# Altium PCB PCB.PcbDoc
Units mm, origin at the board's own origin, x right, y up, seen from the top; angles counter-clockwise.
Board outline 152.4 x 101.6 mm, 4 copper layers (Top Layer, L2 (GND), L3 (GND), Bottom Layer), stack 1.55 mm thick; 123 components, 28 nets, 378 pads, 0 vias.
Unrouted connection lines stored in the file: 255.
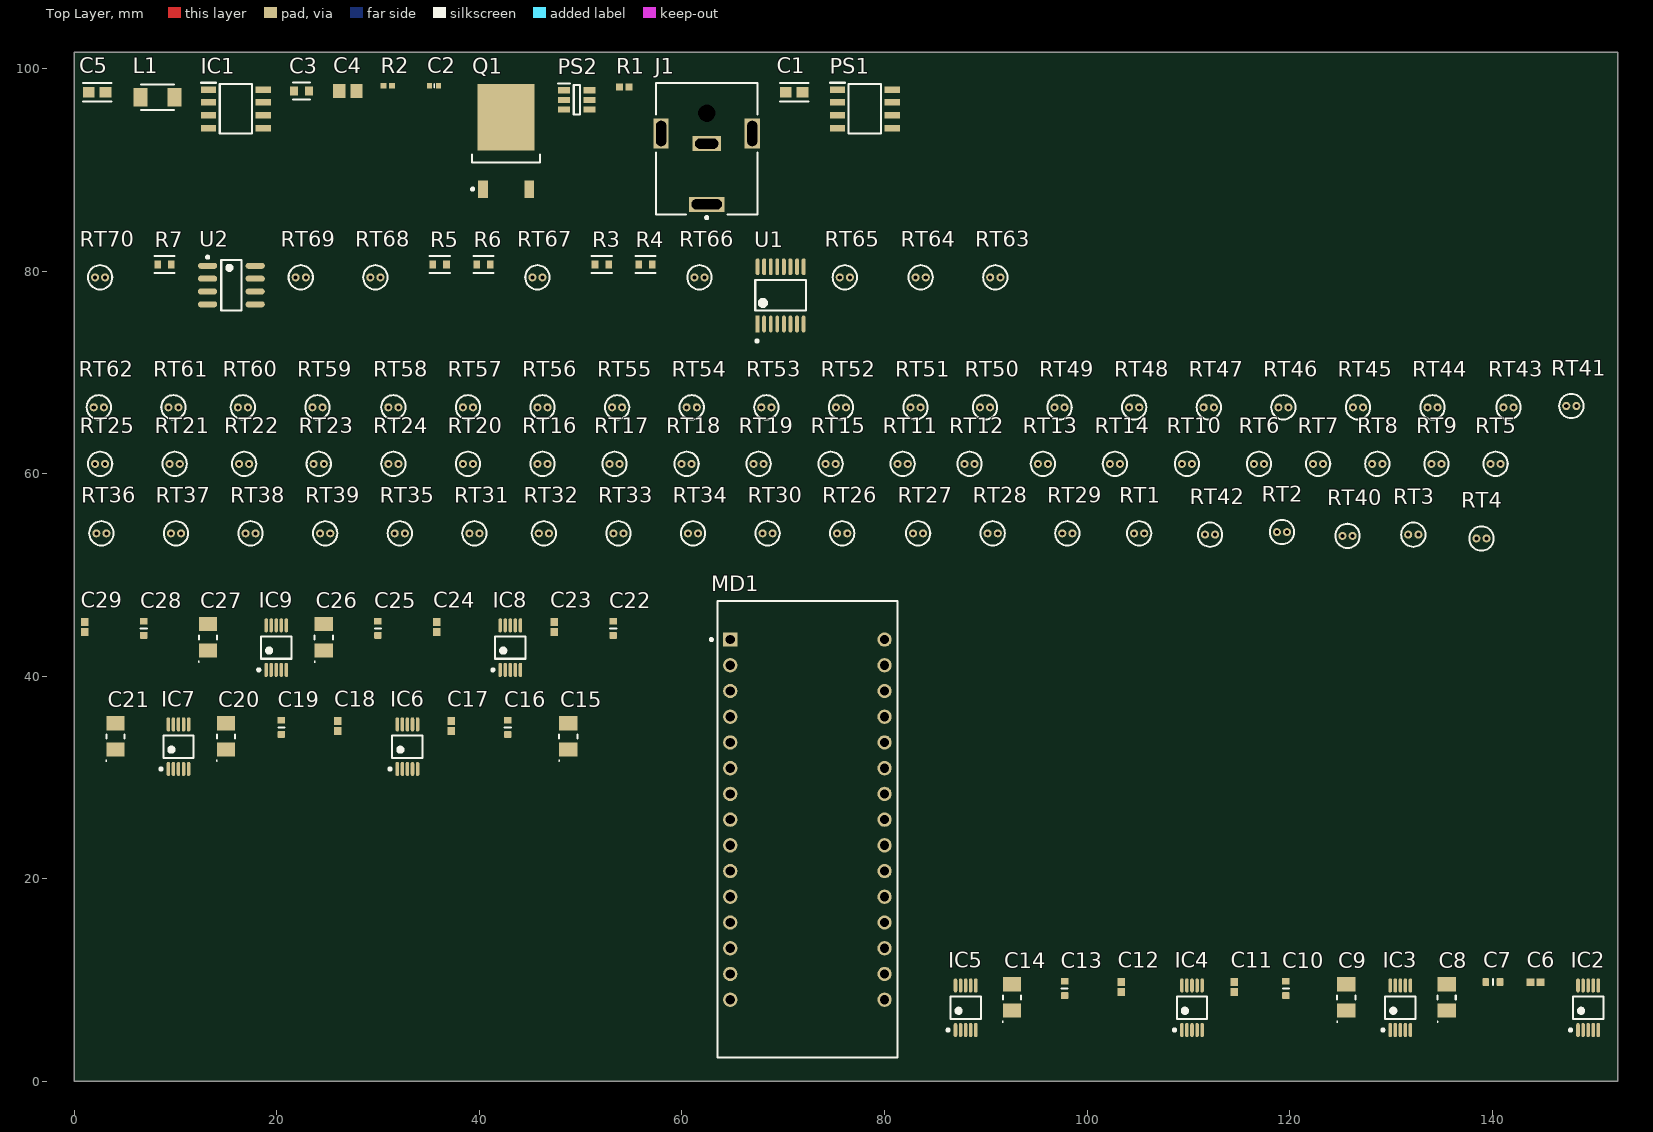
[diagram p0: Top Layer view]
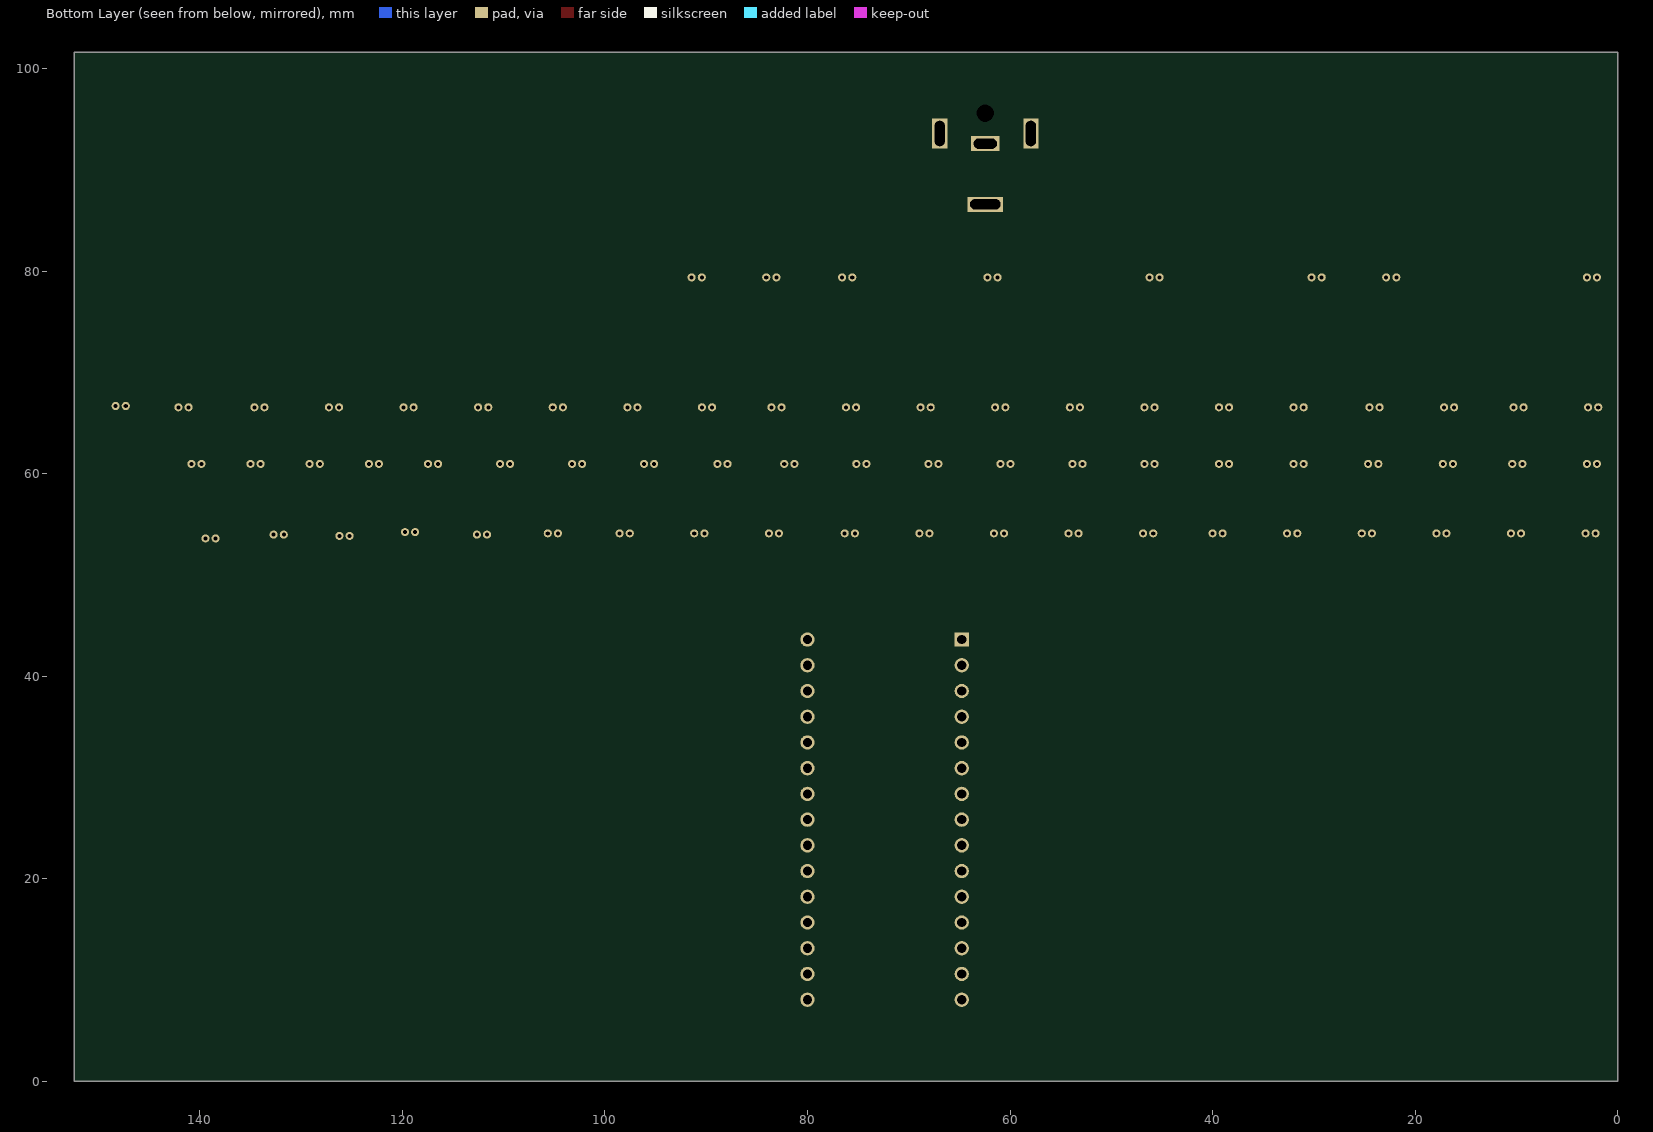
[diagram p1: Bottom Layer view, seen from below]

## Layer stack, top to bottom
Top Solder: solder mask 0.0254, Solder Resist, Dk 3.5
Top Layer: signal copper 0.035
Dielectric 1: prepreg 0.09, PP-017, Dk 4.3
L2 (GND): signal copper 0.0175
Dielectric 2: core 1.265, Core-039, Dk 4.8
L3 (GND): signal copper 0.0175
Dielectric 3: prepreg 0.09, PP-017, Dk 4.3
Bottom Layer: signal copper 0.035
Bottom Solder: solder mask 0.0254, Solder Resist, Dk 3.5

## Board outline
0,0 152.4,0 152.4,101.6 0,101.6

## Design rules (kind name [scope] priority, off if disabled: settings)
Clearance [All] p1: gap=0.25 ignorepadtopadclearanceinfootprint=FALSE
ComponentClearance [All] p1: gap=0.254 collisioncheckmode=3 verticalgap=0.254 showdistances=TRUE
PolygonConnect [All] p1: connectstyle=Relief reliefconductorwidth=0.254 reliefentries=4 polygonreliefangle="90 Angle" airgapwidth=0.254
RoomDefinition "Weatstone bridge" [InComponentClass('Weatstone bridge')] p1: confinementstyle=ConfineIn formatcopy=TRUE lockcomponents=FALSE outline 0.143,72.644 95.012,72.644 95.012,84.328 0.143,84.328
RoomDefinition Thermistors [InComponentClass('Thermistors')] p2: confinementstyle=ConfineIn formatcopy=TRUE lockcomponents=FALSE outline 0.016,49.276 151.892,49.276 151.892,71.501 0.016,71.501
RoomDefinition "Processing interface" [InComponentClass('Processing interface')] p3: confinementstyle=ConfineIn formatcopy=TRUE lockcomponents=FALSE outline 0.254,0.814 152.654,0.814 152.654,48.659 0.254,48.659
RoomDefinition "Power Supply Unit" [InComponentClass('Power Supply Unit')] p4: confinementstyle=ConfineIn formatcopy=TRUE lockcomponents=FALSE outline 0.088,84.836 82.003,84.836 82.003,101.473 0.088,101.473
RoutingVias [All] p1: holewidth=0.899 width=1.905 viastyle="Through Hole" minholewidth=0.701 minwidth=1.27 maxholewidth=1.501 maxwidth=2.54
SolderMaskExpansion [All] p1: expansion=0.102 istentingtop=FALSE
UnRoutedNet [All] p1: checkbadconnections=TRUE
Width [All] p1: maxlimit=0.535 minlimit=0.136 preferedwidth=0.136 toplayer_maxwidth=0.136 bottomlayer_maxwidth=0.136 impedanceprofiledriven=TRUE impedanceprofileid={A71F478D-9E5E-49C9-A4F1-DDFD40A67127} impedanceprofilevalue=50.000000 minimp=50.000000 maximp=50.000000 favimp=50.000000
28 further rules are at their usual default settings.

## Classes and differential pairs
component class "Weatstone bridge": *3 R3 R4 R5 R6 R7 RT63 RT64 RT65 RT66 RT67 RT68 RT69 RT70 U1 U2
component class "Processing interface": *5 C6 C7 C8 C9 C10 C11 C12 C13 C14 C15 C16 C17 C18 C19 C20 C21 C22 C23 C24 C25 C26 C27 C28 C29 IC2 IC3 IC4 IC5 IC6 IC7 IC8 IC9 MD1
component class Thermistors: *3 RT1 RT2 RT3 RT4 RT5 RT6 RT7 RT8 RT9 RT10 RT11 RT12 RT13 RT14 RT15 RT16 RT17 RT18 RT19 RT20 RT21 RT22 RT23 RT24 RT25 RT26 RT27 RT28 RT29 RT30 RT31 RT32 RT33 RT34 RT35 RT36 RT37 RT38 RT39 RT40 RT41 RT42 RT43 RT44 RT45 RT46 RT47 RT48 RT49 RT50 RT51 RT52 RT53 RT54 RT55 RT56 RT57 RT58 RT59 RT60 RT61 RT62
component class "Power Supply Unit": *2 C1 C2 C3 C4 C5 D2 IC1 J1 L1 PS1 PS2 Q1 R1 R2 S2

## Components (designator, comment, footprint, x,y, rotation, side; value= is the part's Value field where it differs from the comment)
C1 "CL10A225KO8NNNC" FP-CL10-IPC_A 71.081,97.663 r0 top
C2 "Capacitor 220nF +/-20% 10V 0402" CAPC0402(1005)60_L 35.521,98.298 r0 top value=220nF
C3 "CC0603KRX7R9BB104" FP-CC0603-DA-MFG 22.44,97.79 r0 top value="100 nF"
C4 "Capacitor 10 uF +/- 10% 16 V 0805" CAPC2013X135X45NL10T25 27.012,97.79 r0 top value=10µF
C5 "CL10A225KO8NNNC" FP-CL10-IPC_A 2.247,97.663 r0 top
C6 "0402YC104KAT2A" CAPC1005X56X25ML10T15 144.272,9.797 r0 top
C7 "Capacitor 1µF +/-0.1% 25V 0603" CAPC0603(1608)100_L 140.081,9.797 r0 top value=1µF
C8 "TAJA106K016RNJ" CAPMP3217X18-T_V 135.509,8.273 r90 top value=10µF
C9 "TAJA106K016RNJ" CAPMP3217X18-T_V 125.603,8.273 r90 top value=10µF
C10 "Capacitor 1µF +/-0.1% 25V 0603" CAPC0603(1608)100_L 119.634,9.162 r90 top value=1µF
C11 "0402YC104KAT2A" CAPC1005X56X25ML10T15 114.554,9.289 r90 top
C12 "0402YC104KAT2A" CAPC1005X56X25ML10T15 103.378,9.289 r90 top
C13 "Capacitor 1µF +/-0.1% 25V 0603" CAPC0603(1608)100_L 97.79,9.162 r90 top value=1µF
C14 "TAJA106K016RNJ" CAPMP3217X18-T_V 92.583,8.273 r90 top value=10µF
C15 "TAJA106K016RNJ" CAPMP3217X18-T_V 48.768,34.054 r90 top value=10µF
C16 "Capacitor 1µF +/-0.1% 25V 0603" CAPC0603(1608)100_L 42.799,34.943 r90 top value=1µF
C17 "0402YC104KAT2A" CAPC1005X56X25ML10T15 37.211,35.07 r90 top
C18 "0402YC104KAT2A" CAPC1005X56X25ML10T15 26.035,35.07 r90 top
C19 "Capacitor 1µF +/-0.1% 25V 0603" CAPC0603(1608)100_L 20.447,34.943 r90 top value=1µF
C20 "TAJA106K016RNJ" CAPMP3217X18-T_V 14.986,34.054 r90 top value=10µF
C21 "TAJA106K016RNJ" CAPMP3217X18-T_V 4.064,34.054 r90 top value=10µF
C22 "Capacitor 1µF +/-0.1% 25V 0603" CAPC0603(1608)100_L 53.213,44.722 r90 top value=1µF
C23 "0402YC104KAT2A" CAPC1005X56X25ML10T15 47.371,44.849 r90 top
C24 "0402YC104KAT2A" CAPC1005X56X25ML10T15 35.814,44.849 r90 top
C25 "Capacitor 1µF +/-0.1% 25V 0603" CAPC0603(1608)100_L 29.972,44.722 r90 top value=1µF
C26 "TAJA106K016RNJ" CAPMP3217X18-T_V 24.638,43.833 r90 top value=10µF
C27 "TAJA106K016RNJ" CAPMP3217X18-T_V 13.208,43.833 r90 top value=10µF
C28 "Capacitor 1µF +/-0.1% 25V 0603" CAPC0603(1608)100_L 6.858,44.722 r90 top value=1µF
C29 "0402YC104KAT2A" CAPC1005X56X25ML10T15 1.016,44.849 r90 top
IC1 "MCP1501-18E_SN" SOIC127P600X175-8N 15.963,96.012 r0 top
IC2 "MCP33141-10-E/MS" "New footprint 1" 149.352,7.257 r90 top
IC3 "MCP33141-10-E/MS" "New footprint 1" 130.81,7.257 r90 top
IC4 "MCP33141-10-E/MS" "New footprint 1" 110.236,7.257 r90 top
IC5 "MCP33141-10-E/MS" "New footprint 1" 87.884,7.257 r90 top
IC6 "MCP33141-10-E/MS" "New footprint 1" 32.766,33.038 r90 top
IC7 "MCP33141-10-E/MS" "New footprint 1" 10.16,33.038 r90 top
IC8 "MCP33141-10-E/MS" "New footprint 1" 42.926,42.817 r90 top
IC9 "MCP33141-10-E/MS" "New footprint 1" 19.812,42.817 r90 top
J1 "PJ-063AH" CUI-PJ-063AH_V 62.445,92.583 r90 top
L1 "7447916" SMD-1210 8.216,97.155 r0 top
MD1 "Arduino Nano Every" FP-A000005-MFG 72.39,24.88 r0 top
PS1 "MCP1501-33E_SN" SOIC127P600X175-8N 78.066,96.012 r0 top
PS2 "LMR50410YFQDBVRQ1" SOT95P280X145-6N 49.618,96.901 r0 top
Q1 "IPD90P03P4-04" INF-PG-TO252-3-11_N 42.633,92.837 r90 top
R1 "RC0402FR-1322K1L" RESC1005X40X25ML05T10 54.317,98.171 r0 top
R2 "RC0402FR-0788K7L" RESC1005X40X25NL05T10 30.949,98.298 r0 top
R3 "RT0603BRD0710KL" FP-RT0603-IPC_C 52.086,80.645 r0 top value=10kR
R4 "RT0603BRD0710KL" FP-RT0603-IPC_C 56.404,80.645 r0 top value=10kR
R5 "RT0603BRD0710KL" FP-RT0603-IPC_C 36.084,80.645 r0 top value=10kR
R6 "RT0603BRD0710KL" FP-RT0603-IPC_C 40.402,80.645 r0 top value=10kR
R7 "RT0603BRD0710KL" FP-RT0603-IPC_C 8.906,80.645 r0 top value=10kR
RT1 "NTCLE350E4103FHB0" NTCLE350E4103FHB0 104.648,54.102 r0 top
RT2 "NTCLE350E4103FHB0" NTCLE350E4103FHB0 118.745,54.229 r0 top
RT3 "NTCLE350E4103FHB0" NTCLE350E4103FHB0 131.715,53.975 r0 top
RT4 "NTCLE350E4103FHB0" NTCLE350E4103FHB0 138.446,53.594 r0 top
RT5 "NTCLE350E4103FHB0" NTCLE350E4103FHB0 139.843,60.96 r0 top
RT6 "NTCLE350E4103FHB0" NTCLE350E4103FHB0 116.475,60.96 r0 top
RT7 "NTCLE350E4103FHB0" NTCLE350E4103FHB0 122.317,60.96 r0 top
RT8 "NTCLE350E4103FHB0" NTCLE350E4103FHB0 128.159,60.96 r0 top
RT9 "NTCLE350E4103FHB0" NTCLE350E4103FHB0 134.001,60.96 r0 top
RT10 "NTCLE350E4103FHB0" NTCLE350E4103FHB0 109.363,60.96 r0 top
RT11 "NTCLE350E4103FHB0" NTCLE350E4103FHB0 81.296,60.96 r0 top
RT12 "NTCLE350E4103FHB0" NTCLE350E4103FHB0 87.9,60.96 r0 top
RT13 "NTCLE350E4103FHB0" NTCLE350E4103FHB0 95.139,60.96 r0 top
RT14 "NTCLE350E4103FHB0" NTCLE350E4103FHB0 102.251,60.96 r0 top
RT15 "NTCLE350E4103FHB0" NTCLE350E4103FHB0 74.184,60.96 r0 top
RT16 "NTCLE350E4103FHB0" NTCLE350E4103FHB0 45.736,60.96 r0 top
RT17 "NTCLE350E4103FHB0" NTCLE350E4103FHB0 52.848,60.96 r0 top
RT18 "NTCLE350E4103FHB0" NTCLE350E4103FHB0 59.96,60.96 r0 top
RT19 "NTCLE350E4103FHB0" NTCLE350E4103FHB0 67.072,60.96 r0 top
RT20 "NTCLE350E4103FHB0" NTCLE350E4103FHB0 38.37,60.96 r0 top
RT21 "NTCLE350E4103FHB0" NTCLE350E4103FHB0 9.414,60.96 r0 top
RT22 "NTCLE350E4103FHB0" NTCLE350E4103FHB0 16.272,60.96 r0 top
RT23 "NTCLE350E4103FHB0" NTCLE350E4103FHB0 23.638,60.96 r0 top
RT24 "NTCLE350E4103FHB0" NTCLE350E4103FHB0 31.004,60.96 r0 top
RT25 "NTCLE350E4103FHB0" NTCLE350E4103FHB0 2.048,60.96 r0 top
RT26 "NTCLE350E4103FHB0" NTCLE350E4103FHB0 75.327,54.102 r0 top
RT27 "NTCLE350E4103FHB0" NTCLE350E4103FHB0 82.82,54.102 r0 top
RT28 "NTCLE350E4103FHB0" NTCLE350E4103FHB0 90.186,54.102 r0 top
RT29 "NTCLE350E4103FHB0" NTCLE350E4103FHB0 97.552,54.102 r0 top
RT30 "NTCLE350E4103FHB0" NTCLE350E4103FHB0 67.961,54.102 r0 top
RT31 "NTCLE350E4103FHB0" NTCLE350E4103FHB0 39.005,54.102 r0 top
RT32 "NTCLE350E4103FHB0" NTCLE350E4103FHB0 45.863,54.102 r0 top
RT33 "NTCLE350E4103FHB0" NTCLE350E4103FHB0 53.229,54.102 r0 top
RT34 "NTCLE350E4103FHB0" NTCLE350E4103FHB0 60.595,54.102 r0 top
RT35 "NTCLE350E4103FHB0" NTCLE350E4103FHB0 31.639,54.102 r0 top
RT36 "NTCLE350E4103FHB0" NTCLE350E4103FHB0 2.175,54.102 r0 top
RT37 "NTCLE350E4103FHB0" NTCLE350E4103FHB0 9.541,54.102 r0 top
RT38 "NTCLE350E4103FHB0" NTCLE350E4103FHB0 16.907,54.102 r0 top
RT39 "NTCLE350E4103FHB0" NTCLE350E4103FHB0 24.273,54.102 r0 top
RT40 "NTCLE350E4103FHB0" NTCLE350E4103FHB0 125.222,53.848 r0 top
RT41 "NTCLE350E4103FHB0" NTCLE350E4103FHB0 147.32,66.675 r0 top
RT42 "NTCLE350E4103FHB0" NTCLE350E4103FHB0 111.649,53.975 r0 top
RT43 "NTCLE350E4103FHB0" NTCLE350E4103FHB0 141.113,66.548 r0 top
RT44 "NTCLE350E4103FHB0" NTCLE350E4103FHB0 133.62,66.548 r0 top
RT45 "NTCLE350E4103FHB0" NTCLE350E4103FHB0 126.254,66.548 r0 top
RT46 "NTCLE350E4103FHB0" NTCLE350E4103FHB0 118.888,66.548 r0 top
RT47 "NTCLE350E4103FHB0" NTCLE350E4103FHB0 111.522,66.548 r0 top
RT48 "NTCLE350E4103FHB0" NTCLE350E4103FHB0 104.156,66.548 r0 top
RT49 "NTCLE350E4103FHB0" NTCLE350E4103FHB0 96.79,66.548 r0 top
RT50 "NTCLE350E4103FHB0" NTCLE350E4103FHB0 89.424,66.548 r0 top
RT51 "NTCLE350E4103FHB0" NTCLE350E4103FHB0 82.566,66.548 r0 top
RT52 "NTCLE350E4103FHB0" NTCLE350E4103FHB0 75.2,66.548 r0 top
RT53 "NTCLE350E4103FHB0" NTCLE350E4103FHB0 67.834,66.548 r0 top
RT54 "NTCLE350E4103FHB0" NTCLE350E4103FHB0 60.468,66.548 r0 top
RT55 "NTCLE350E4103FHB0" NTCLE350E4103FHB0 53.102,66.548 r0 top
RT56 "NTCLE350E4103FHB0" NTCLE350E4103FHB0 45.736,66.548 r0 top
RT57 "NTCLE350E4103FHB0" NTCLE350E4103FHB0 38.37,66.548 r0 top
RT58 "NTCLE350E4103FHB0" NTCLE350E4103FHB0 31.004,66.548 r0 top
RT59 "NTCLE350E4103FHB0" NTCLE350E4103FHB0 23.511,66.548 r0 top
RT60 "NTCLE350E4103FHB0" NTCLE350E4103FHB0 16.145,66.548 r0 top
RT61 "NTCLE350E4103FHB0" NTCLE350E4103FHB0 9.287,66.548 r0 top
RT62 "NTCLE350E4103FHB0" NTCLE350E4103FHB0 1.921,66.548 r0 top
RT63 "NTCLE350E4103FHB0" NTCLE350E4103FHB0 90.44,79.375 r0 top
RT64 "NTCLE350E4103FHB0" NTCLE350E4103FHB0 83.074,79.375 r0 top
RT65 "NTCLE350E4103FHB0" NTCLE350E4103FHB0 75.581,79.375 r0 top
RT66 "NTCLE350E4103FHB0" NTCLE350E4103FHB0 61.23,79.375 r0 top
RT67 "NTCLE350E4103FHB0" NTCLE350E4103FHB0 45.228,79.375 r0 top
RT68 "NTCLE350E4103FHB0" NTCLE350E4103FHB0 29.226,79.375 r0 top
RT69 "NTCLE350E4103FHB0" NTCLE350E4103FHB0 21.86,79.375 r0 top
RT70 "NTCLE350E4103FHB0" NTCLE350E4103FHB0 2.048,79.375 r0 top
U1 "TMUX1208PWR" FP-PW0016A-IPC_B 69.739,77.597 r90 top
U2 "MCP6N11-100E/SN" SOIC-SN8_L 15.51,78.613 r0 top

## Footprints (in the part's own frame and the unit in brackets; to place one, negate y for a bottom-side part, rotate by r counter-clockwise, add the part's x,y. Pads: shape width x height; smd on the part's side, far side on the other; paste and mask are expansions set on the pad)
CAPC0402(1005)60_L [mm] "Chip Capacitor, Body 1.0x0.5mm, Height 0.6mm, IPC High Density"
  rrect25% 0.5x0.55 smd: 1(-0.45,0) 2(0.45,0)
  silkscreen extent 0,-0.2 0,0.2, body extent -0.5,-0.25 0.5,0.25, height 0.6
CAPC0603(1608)100_L [mm] "Chip Capacitor, Body 1.6x0.8mm, Height 1.0mm, IPC High Density"
  rrect25% 0.66x0.76 smd: 1(-0.7,0) 2(0.7,0)
  silkscreen extent 0,-0.3 0,0.3, body extent -0.8,-0.4 0.8,0.4, height 0.95
CAPC1005X56X25ML10T15 [mm] "Chip Capacitor, 2-Leads, Body 1.00x0.50mm, IPC Low Density"
  rect 0.78x0.74 smd: 1(-0.49,0) 2(0.49,0)
  body extent -0.55,-0.3 0.55,0.3, height 0.56
CAPC2013X135X45NL10T25 [mm] "Chip Capacitor, 2-Leads, Body 2.10x1.35mm, IPC Medium Density"
  rect 1.2x1.4 smd: 1(-0.85,0) 2(0.85,0)
  body extent -1.05,-0.67 1.05,0.67, height 1.35
CAPMP3217X18-T_V [mm] "Molded Capacitor, 2-Leads, Body 3.40x1.8mm"
  rect 1.4x1.8 smd: 1(-1.3,0) 2(1.3,0)
  silkscreen extent -2.45,-0.9 0.2,0.95, body extent -1.92,-0.9 1.92,0.9, height 1.8
CUI-PJ-063AH_V [mm] "THD, 2-Leads, Body 13x10mm, Height 9mm"
  rect 1.5x3.5 hole 1 slot 3 at 90 deg: 1(-6,0)
  rect 1.5x2.8 hole 1 slot 2.3 at 90 deg: 2(0,0)
  rect 3x1.5 hole 1 slot 2.5 at 0 deg: 3(1,4.5) 4(1,-4.5)
  round 1.4 hole 1.7 unplated: 5(3,0)
  silkscreen extent -7.42,-5 6,5, body extent -7,-5.15 6,5.15, height 9
FP-A000005-MFG [mil]
  rect 55.67x55.67 hole 35.98 paste-39370.1 mask+0: 1(-300,737.5)
  round 55.67 hole 35.98 paste-39370.1 mask+0: 2(-300,637.5) 3(-300,537.5) 4(-300,437.5) 5(-300,337.5) 6(-300,237.5) 7(-300,137.5) 8(-300,37.5) 9(-300,-62.5) 10(-300,-162.5) 11(-300,-262.5) 12(-300,-362.5) 13(-300,-462.5) 14(-300,-562.5) 15(-300,-662.5) 16(300,-662.5) 17(300,-562.5) 18(300,-462.5) 19(300,-362.5) 20(300,-262.5) 21(300,-162.5) 22(300,-62.5) 23(300,37.5) 24(300,137.5) 25(300,237.5) 26(300,337.5) 27(300,437.5) 28(300,537.5) 29(300,637.5) 30(300,737.5)
  silkscreen extent -379,-888 350,888, body extent -354,-891 354,891, height 10
FP-CC0603-DA-MFG [mm]
  rect 0.8x0.9 smd paste+0 mask+0: 1(-0.75,0) 2(0.75,0)
  silkscreen extent -0.85,-0.85 0.85,0.85, body extent -1.35,-0.75 1.35,0.75, height 0.25
FP-CL10-IPC_A [mm]
  rect 1.158x1.012 smd paste+0 mask+0: 1(-0.827,0) 2(0.827,0)
  silkscreen extent -1.41,-0.91 1.41,0.91, body extent -1.91,-1.01 1.91,1.01, height 0.25
FP-PW0016A-IPC_B [mm]
  rect 1.655x0.381 smd paste+0 mask+0: 1(-2.825,2.275)
  rrect100% 1.655x0.381 smd paste+0 mask+0: 2(-2.825,1.625) 3(-2.825,0.975) 4(-2.825,0.325) 5(-2.825,-0.325) 6(-2.825,-0.975) 7(-2.825,-1.625) 8(-2.825,-2.275) 9(2.825,-2.275) 10(2.825,-1.625) 11(2.825,-0.975) 12(2.825,-0.325) 13(2.825,0.325) 14(2.825,0.975) 15(2.825,1.625) 16(2.825,2.275)
  silkscreen extent -4.63,-2.5 1.5,2.5, body extent -3.9,-2.75 3.9,2.75, height 0.25
FP-RT0603-IPC_C [mm]
  rect 0.659x0.812 smd paste+0 mask+0: 1(-0.677,0) 2(0.677,0)
  silkscreen extent -1.01,-0.85 1.01,0.85, body extent -1.11,-0.55 1.11,0.55, height 0.25
INF-PG-TO252-3-11_N [mm] "DPAK, 3-Leads, Body 6.5x6.12mm, Pitch 2.28mm, IPC Medium Density"
  rect 1.75x0.95 smd: 1(-4.75,2.28) 3(-4.75,-2.28)
  rect 6.6x5.6 smd: 2(2.35,0)
  silkscreen extent -4.87,-3.35 -1.35,3.43, body extent -2.1,-3.32 4.12,3.32, height 2.35
"New footprint 1" [mm]
  oval 1.4x0.35 smd: 1(-2.2,0.873) 2(-2.2,0.373) 3(-2.2,-0.127) 4(-2.2,-0.627) 5(-2.2,-1.127) 6(2.2,-1.127) 7(2.2,-0.627) 8(2.2,-0.127) 9(2.2,0.373) 10(2.2,0.873)
  silkscreen extent -2.32,-1.63 1.1,1.72, body extent -2.45,-1.63 2.45,1.37, height 1.1
NTCLE350E4103FHB0 [mm]
  round 0.8 hole 0.4: 1(0,0) 2(1,0)
  silkscreen extent -0.7,-1.2 1.7,1.2, body extent -0.72,-1.13 1.68,1.27, height 35.08
RESC1005X40X25ML05T10 [mm] "Chip Resistor, 2-Leads, Body 1.00x0.50mm, IPC Low Density"
  rect 0.7x0.65 smd: 1(-0.475,0) 2(0.475,0)
  body extent -0.53,-0.27 0.53,0.28, height 0.4
RESC1005X40X25NL05T10 [mm] "Chip Resistor, 2-Leads, Body 1.00x0.50mm, IPC Medium Density"
  rect 0.6x0.55 smd: 1(-0.425,0) 2(0.425,0)
  body extent -0.53,-0.27 0.53,0.28, height 0.4
SMD-1210 [mm] "Chip Inductor, 2-Leads, Body 3.2x2.5mm"
  rect 1.35x1.8 smd: 1(-1.675,0) 2(1.675,0)
  silkscreen extent -1.65,-1.25 1.65,1.25, body extent -1.6,-1.25 1.6,1.25, height 1.29
SOIC127P600X175-8N [mm]
  rect 1.5x0.65 smd: 1(-2.7,1.905) 2(-2.7,0.635) 3(-2.7,-0.635) 4(-2.7,-1.905) 5(2.7,-1.905) 6(2.7,-0.635) 7(2.7,0.635) 8(2.7,1.905)
  silkscreen extent -3.45,-2.45 1.6,2.58, body extent -3,-2.45 3,2.45, height 1.75
SOIC-SN8_L [mm] "SOIC, 8-Leads, Body 4.9x3.9mm, Pitch 1.27mm, IPC High Density"
  oval 1.9x0.6 smd: 1(-2.35,1.905) 2(-2.35,0.635) 3(-2.35,-0.635) 4(-2.35,-1.905) 5(2.35,-1.905) 6(2.35,-0.635) 7(2.35,0.635) 8(2.35,1.905)
  silkscreen extent -2.47,-2.5 1,2.88, body extent -2,-2.5 2,2.5, height 1.75
SOT95P280X145-6N [mm]
  rect 1.2x0.6 smd: 1(-1.25,0.95) 2(-1.25,0) 3(-1.25,-0.95) 4(1.25,-0.95) 5(1.25,0) 6(1.25,0.95)
  silkscreen extent -1.85,-1.45 0.3,1.6, body extent -1.4,-1.45 1.4,1.45, height 1.45

## Part data
C1 C5: library part CMP-13271-000835-1, "Cap Ceramic 2.2uF 16V X5R ±10% Pad SMD 0603 +85°C T/R", Capacitance=2.2uF, Case Code (Imperial)=0603, Case Code (Metric)=1608, Dielectric=X5R, Max Operating Temperature=85°C, Min Operating Temperature=-55°C, Package Quantity=4000, Tolerance=10%, Voltage=16V, Case/Package=0603, Contact Plating=Tin, Depth=0.8mm, Height=0.8mm, Lead Free="Lead Free", Length=1.6mm, Material=Ceramic, Mount="Surface Mount", Packaging="Tape and Reel", Radiation Hardening=No, Thickness=0.035inch, Voltage Rating=16V, Voltage Rating (DC)=16V, Width=0.031inch
C2: library part CMP-001-00057-3, "Chip Capacitor, 220nF +/-20%, 10V, 0402, Thickness 0.6 mm", Case/Package=0402, Max Operating Temperature=85°C, Min Operating Temperature=-55°C, Tolerance=10%, Voltage Rating=10V, Mounting Technology=SMT, Pins=2
C3: library part CMP-2100-03601-2, "CAP CER 0.1UF 50V X7R 0603", Capacitance="100 nF", Manufacturer=YAGEO, Package=CC0603-DA, Temperature="-55°C to +125°C", Temperature Characteristic=X7R, Temperature Coefficient=15%, Temperature Range High=+125°C, Temperature Range Low=-55°C, Tolerance=0.1, Voltage="50 V", Automotive=No, Category=Cap, ComponentLink2Description=Datasheet, ComponentLink2URL=http://www.yageo.com/documents/recent/UPY-GPHC_X7R_6.3V-to-50V_18.pdf, Device Class L1="Passive Components", Device Class L2=Capacitors, Device Class L3="Ceramic Capacitors", Digikey Description="CAP CER 0.1UF 50V X7R 0603", Footprint Url=http://www.yageo.com/exep/pages/download/literatures/UPY-C_GEN_24.pdf, Height=0.9mm, Lead Free=Yes, Manufacturer Part Number=CC0603KRX7R9BB104, Material=Ceramic, Mouser Description="Multilayer Ceramic Capacitor, CC Series, 0.1 - F, - 10%, X7R, 50 V, 0603 [1608 Metric]", Octopart=https://octopart.com/cc0603krx7r9bb104-yageo-42244635, RoHS=TRUE, Voltage Rating="50 V"
C4: library part CMP-001-00015-6, "Chip Capacitor, 10 uF, +/- 10%, 16 V, 0805 (2012 Metric)", Capacitor Type=Ceramic, Case/Package=0805, Max Operating Temperature=85°C, Min Operating Temperature=-55°C, Tolerance=10%, Voltage Rating=16V, Mounting Technology=SM, Pins=2, RoHS Compliant=True
C6 C11 C12 C17 C18 C23 C24 C29: library part CMP-2008-02800-1, Manufacturer="AVX Interconnect / Elco", Part Number=0402YC104KAT2A
C7 C10 C13 C16 C19 C22 C25 C28: library part CMP-001-00055-4, "Chip Capacitor, 1µF +/-0.1%, 25V, 0603, Thickness 1 mm", Case/Package=0603, Max Operating Temperature=85°C, Min Operating Temperature=-55°C, Tolerance=20%, Voltage Rating=25V, Mounting Technology=SMT, Pins=2
C8 C9 C14 C15 C20 C21 C26 C27: library part CMP-001-00041-7, "Standard Tantalum, 10 uF, +/- 10%, 16 V, -55 to 125 degC, 1206 (3216 Metric), RoHS, Tape and Reel", Capacitor Type=Tantalum, Case/Package=1206, Manufacturer=AVX, Max Operating Temperature=125°C, Min Operating Temperature=-55°C, Package Description="2-Pin Surface Mount Device, Body 3.2 x 1.65 mm", Package Quantity=1, Package Reference=CAPMP3217X18-T, Tolerance=10%, Voltage Rating=16V, Datasheet URL=http://datasheets.avx.com/TAJ.pdf, Datasheet Version=Feb-16, ESR=3Ohm, Manufacturer URL=http://www.avx.com/, Mounting Technology=SM, Package URL=http://www.avx.com/download/software/literature/AVX-Footprint-Library.pdf, Packaging=TapeandReel, Pins=2, RoHS Compliant=True
IC1: "Integrated Circuit", Arrow Part Number=MCP1501-18E/SN, Manufacturer_Name=Microchip, Mouser Part Number=579-MCP1501-18E/SN, Arrow Price/Stock=https://www.arrow.com/en/products/mcp1501-18esn/microchip-technology?region=nac, Datasheet Link=http://ww1.microchip.com/downloads/en/DeviceDoc/20005474E.pdf, Height=1.75mm, Manufacturer_Part_Number=MCP1501-18E/SN, Mouser Price/Stock=https://www.mouser.co.uk/ProductDetail/Microchip-Technology-Atmel/MCP1501-18E-SN?qs=BA62vJVifGrqbCLW75KQyA%3D%3D
IC2 IC3 IC4 IC5 IC6 IC7 IC8 IC9: library part CMP-020-00028-2, "ADC Single SAR 1Msps 12-bit Serial Microwire/SPI 10-Pin MSOP Tray"
J1: library part CMP-2000-06898-1, "Through Hole Right Angle DC Power Jack, 8 A, 2 mm Center Pin, 2 Position, -25 to 85 degC, RoHS, Bulk", Current Rating=8A, Flammability Rating=UL94V-0, Insulation Resistance=100MOhms, Manufacturer=CUIInc., Operating Temperature Range=-25Cto+85C, Package Description="2-Pin Through Hole Device, Body 13 x 10 mm, Height 9 mm", Voltage Rating=24V, Brand=CUI, Connector Type=DCPowerJack, Contact Gender=Male, Contact Material=Copper, Contact Plating=Nickel, Datasheet URL=http://www.cui.com/product/resource/pj-063ah.pdf, Datasheet Version="Rev. 1.02, 03/2016", Factory Pack Quantity=500, Housing Material=PolybutyleneTerephthalate(PBT), Inside Contact Diameter=2mm, Manufacturer URL=http://www.cui.com/, Mounting Angle=Right, Mounting Style=KinkedPin, Mounting Technology=ThroughHole, Outside Contact Diameter=6.5mm, Package Reference=PJ-063AH, Product=Jacks, Product Category=DCPowerConnectors, RoHS=True, Termination Style=ThroughHole
L1: library part CMP-0221-00031-1, "SMD-Multilayer Inductor WE-MI, L = 4.70 µH", Inductance="4.70 ÂµH", ComponentLink1Description="Manufacturer Link", ComponentLink1URL=http://www.we-online.com, ComponentLink2Description=Datasheet, ComponentLink2URL=http://www.we-online.de/katalog/media/pdf/7447916.pdf, DatasheetVersion="ver 5, Oct-2004", PackageDescription="Chip Inductor, 2-Leads, Body 3.2 x 2.5 mm", PackageReference=SMD-1210, PackageVersion=2007
MD1: library part CMP-189986-000002-1, "ARDUINO NANO ATMEGA328 EVAL BRD", Operating Supply Voltage=12V, Package Quantity=50, Core Architecture=AVR, Data Bus Width=8b, Evaluation Kit=Yes, Height=0.25inch, Interface=I2C, Length=7inch, Number of Bits=8, Packaging=Bulk, REACH SVHC="No SVHC", Series="AVR® ATmega", Weight=0.358383oz, Width=5inch
PS1: "Power Supply", Arrow Part Number=MCP1501-33E/SN, Manufacturer_Name=Microchip, Mouser Part Number=579-MCP1501-33E/SN, Arrow Price/Stock=https://www.arrow.com/en/products/mcp1501-33esn/microchip-technology?region=nac, Datasheet Link=http://www.farnell.com/datasheets/2158574.pdf, Height=1.75mm, Manufacturer_Part_Number=MCP1501-33E/SN, Mouser Price/Stock=https://www.mouser.co.uk/ProductDetail/Microchip-Technology-Atmel/MCP1501-33E-SN?qs=BA62vJVifGoOZffNI8tq9A%3D%3D
PS2: "Power Supply", Manufacturer_Name="Texas Instruments", Mouser Part Number=595-MR50410YFQDBVRQ1, Arrow Part Number=LMR50410YFQDBVRQ1, Arrow Price/Stock=https://www.arrow.com/en/products/lmr50410yfqdbvrq1/texas-instruments?region=nac, Datasheet Link=https://www.ti.com/product/LMR50410-Q1, Height=1.45mm, Manufacturer_Part_Number=LMR50410YFQDBVRQ1, Mouser Price/Stock=https://www.mouser.co.uk/ProductDetail/Texas-Instruments/LMR50410YFQDBVRQ1?qs=81r%252BiQLm7BRUAgUFqYZycA%3D%3D
Q1: library part CMP-013-00034-1, "Single P-Channel 30 V 4.5 mOhm 100 nC OptiMOS Power Mosfet - TO-252-3-11", Case/Package=TO-252-3, Continuous Drain Current (ID)=90A, Drain to Source Breakdown Voltage=30V, Drain to Source Resistance=4.5mR, Drain to Source Voltage (Vdss)=-30V, Gate to Source Voltage (Vgs)=20V, Input Capacitance=10.3nF, Max Operating Temperature=175°C, Max Power Dissipation=137W, Min Operating Temperature=-55°C, Package Quantity=1, Element Configuration=Single, Halogen Free="Halogen Free", Lead Free="Lead Free", Max Dual Supply Voltage=-30V, Packaging="Tape and Reel", Pins=3, Power Dissipation=137W, Rds On Max=4.5mR, Reach SVHC Compliant=Yes, RoHS Compliant=Yes, Series=OptiMOS™, Turn-Off Delay Time=70ns
R1: library part CMP-2002-07868-1, Manufacturer="Yageo / Phycomp", Part Number=RC0402FR-1322K1L
R2: library part CMP-2002-07828-1, Manufacturer=Yageo, Part Number=RC0402FR-0788K7L
R3 R4 R5 R6 R7: library part CMP-009-00178-1, "Res High precision Thin Film 0603 10K Ohm 0.1% 1/10W ±25ppm/°C Molded SMD Paper T/R", Case Code (Imperial)=0603, Case Code (Metric)=1608, Max Operating Temperature=155°C, Max Power Dissipation=100mW, Min Operating Temperature=-55°C, Package Quantity=5000, Resistor Type="Thin Film", Temperature Coefficient=25ppm/°C, Voltage Rating=75V, Case/Package=0603, Construction=Rectangular, Depth=0.8mm, Features="Moisture Resistant", Height=0.022inch, Lead Free="Lead Free", Length=0.063inch, Military Standard=Not, Number of Terminations=2, Packaging="Tape and Reel", Power Rating=100mW, RoHS Compliant=Yes, Series=RT, Technology="THIN FILM", Termination=SMD/SMT, Voltage Rating (DC)=75V, Weight=7.1E-05oz, Width=0.8mm, Working Voltage=75V
RT1 RT2 RT3 RT4 RT5 RT6 RT7 RT8 RT9 RT10 RT11 RT12 RT13 RT14 RT15 RT16 RT17 RT18 RT19 RT20 RT21 RT22 RT23 RT24 RT25 RT26 RT27 RT28 RT29 RT30 RT31 RT32 RT33 RT34 RT35 RT36 RT37 RT38 RT39 RT40 RT41 RT42 RT43 RT44 RT45 RT46 RT47 RT48 RT49 RT50 RT51 RT52 RT53 RT54 RT55 RT56 RT57 RT58 RT59 RT60 RT61 RT62 RT63 RT64 RT65 RT66 RT67 RT68 RT69 RT70: "Thermistor", Manufacturer_Name=Vishay, Datasheet Link=https://www.vishay.com/docs/29218/ntcle350e4.pdf, Height=7mm, Manufacturer_Part_Number=NTCLE350E4103FHB0
U1: library part CMP-015-00012-1, "5-V, 8: 1, 1-channel general-purpose analog multiplexer with 1.8-V input logic 16-TSSOP -40 to 125", RoHS Compliant=Yes
U2: library part CMP-014-00010-1, "MCP6N11 Series Single Channel 500 KHz 5.5 V Instrumentation Amplifier - SOIC-8", Case/Package=SOIC, Input Bias Current=10pA, Input Offset Voltage (Vos)=350uV, Max Operating Temperature=125°C, Max Supply Current=800uA, Max Supply Voltage=5.5V, Min Operating Temperature=-40°C, Min Supply Voltage=1.8V, Package Quantity=100, Power Supply Rejection Ratio (PSRR)=86dB, Bandwidth=500kHz, Common Mode Rejection Ratio=86dB, Gain Bandwidth Product=35MHz, Height=1.25mm, Input Offset Voltage-Max=350uV, Lead Free="Lead Free", Length=4.9mm, Mounting Technology="Surface Mount", Nominal Supply Current=800uA, Number of Amplifiers=1, Number of Channels=1, Number of Circuits=1, Number of Elements=2, Packaging=Rail/Tube, Pins=8, Radiation Hardening=No, Reach SVHC Compliant=Yes, RoHS Compliant=Yes, Slew Rate=6V/µs, Slew Rate-Nom=9V/µs, Supply Current=800uA, Unity Gain Bandwidth Product=35MHz, Width=3.9mm

## Nets (pads, with @x,y where several pads share a name; then routed paths per layer and width w, separated by ;. In a path a pad name is that pad's centre, name@x,y a point inside that pad or via, vN(x,y) a via of type N, cw(c..) or ccw(c..) an arc to the next point about the centre after c; other vN are vias at no path point)
CNVST: IC2.6 IC4.6 IC5.6 IC6.6 IC7.6 IC8.6 IC9.6 MD1.6
D0: MD1.2
D1: MD1.1
D2: MD1.5
D4: MD1.7
D5: MD1.8
D6: MD1.9
D7: MD1.10
D8: MD1.11
D9: MD1.12
D10: MD1.13
GND: C1.2 C2.2 C4.2 C5.2 C6.1 C7.2 C8.1 C9.2 C10.2 C11.1 C12.1 C13.2 C14.1 C15.2 C16.2 C17.1 C18.1 C19.2 C20.1 C21.2 C22.2 C23.1 C24.1 C25.2 C26.1 C27.2 C28.2 C29.1 IC1.2 IC1.4 IC1.5 IC1.6 IC2.4 IC2.5 IC3.4 IC3.5 IC4.4 IC4.5 IC5.4 IC5.5 IC6.4 IC6.5 IC7.4 IC7.5 IC8.4 IC8.5 IC9.4 IC9.5 J1.1 J1.3 J1.4 MD1.4 MD1.29 PS1.2 PS1.4 PS1.5 PS1.6 PS2.2 Q1.1 R1.2 R4.1 R6.2 RT1.1 RT2.1 RT3.1 RT4.1 RT5.1 RT6.1 RT7.1 RT8.1 RT9.1 RT10.1 RT11.1 RT12.1 RT13.1 RT14.1 RT15.1 RT16.1 RT17.1 RT18.1 RT19.1 RT20.1 RT21.1 RT22.1 RT23.1 RT24.1 RT25.1 RT26.1 RT27.1 RT28.1 RT29.1 RT30.1 RT31.1 RT32.1 RT33.1 RT34.1 RT35.1 RT36.1 RT37.1 RT38.1 RT39.1 RT40.1 RT41.1 RT42.1 RT43.1 RT44.1 RT45.1 RT46.1 RT47.1 RT48.1 RT49.1 RT50.1 RT51.1 RT52.1 RT53.1 RT54.1 RT55.1 RT56.1 RT57.1 RT58.1 RT59.1 RT60.1 RT61.1 RT62.1 RT63.1 RT64.1 RT65.1 RT66.1 RT67.1 RT68.1 RT69.1 RT70.1 U1.14 U2.1 U2.4
MISO: IC2.7 IC3.7 IC4.7 IC5.7 IC6.7 IC7.7 IC8.7 IC9.7 MD1.15
MOSI: MD1.14
NetC1_1: C1.1 C4.1 C5.1 C6.2 C11.2 C12.2 C17.2 C18.2 C23.2 C24.2 C29.2 IC1.1 IC1.3 IC2.9 IC2.10 IC3.9 IC3.10 IC4.9 IC4.10 IC5.9 IC5.10 IC6.9 IC6.10 IC7.9 IC7.10 IC8.9 IC8.10 IC9.9 IC9.10 L1.2 MD1.3 MD1.28 MD1.30 PS1.1 PS1.3 R2.1 R3.2 U1.2 U1.13
NetC2_1: C2.1 PS2.4 PS2.5 Q1.2
NetC3_1: C3.1 L1.1 PS2.6
NetC3_2: C3.2 PS2.1
NetC7_1: C7.1 C10.1 C13.1 C16.1 C19.1 C22.1 C25.1 C28.1 IC1.7 IC1.8 IC2.2 IC3.2 IC4.2 IC5.2 IC6.2 IC7.2 IC8.2 IC9.2
NetC8_2: C8.2 C9.1 C14.2 C15.1 C20.2 C21.1 C26.2 C27.1 IC2.1 IC3.1 IC4.1 IC5.1 IC6.1 IC7.1 IC8.1 IC9.1 PS1.7 PS1.8 R5.1 R7.1
NetIC2_3: IC2.3 IC3.3 IC4.3 IC5.3 IC6.3 IC7.3 IC8.3 IC9.3 U2.6
NetJ1_2: J1.2 Q1.3
NetPS2_3: PS2.3 R1.1 R2.2
NetR3_1: R3.1 R4.2 U2.5
NetR5_2: R5.2 R6.1 U2.2
NetR7_2: R7.2 U1.8 U2.3
NetU2_7: U2.7 U2.8
SCLK: IC2.8 IC3.8 IC4.8 IC5.8 IC6.8 IC7.8 IC8.8 IC9.8 MD1.16
pads on no net: IC3.6 J1.5 MD1.17 MD1.18 MD1.19 MD1.20 MD1.21 MD1.22 MD1.23 MD1.24 MD1.25 MD1.26 MD1.27 RT1.2 RT2.2 RT3.2 RT4.2 RT5.2 RT6.2 RT7.2 RT8.2 RT9.2 RT10.2 RT11.2 RT12.2 RT13.2 RT14.2 RT15.2 RT16.2 RT17.2 RT18.2 RT19.2 RT20.2 RT21.2 RT22.2 RT23.2 RT24.2 RT25.2 RT26.2 RT27.2 RT28.2 RT29.2 RT30.2 RT31.2 RT32.2 RT33.2 RT34.2 RT35.2 RT36.2 RT37.2 RT38.2 RT39.2 RT40.2 RT41.2 RT42.2 RT43.2 RT44.2 RT45.2 RT46.2 RT47.2 RT48.2 RT49.2 RT50.2 RT51.2 RT52.2 RT53.2 RT54.2 RT55.2 RT56.2 RT57.2 RT58.2 RT59.2 RT60.2 RT61.2 RT62.2 RT63.2 RT64.2 RT65.2 RT66.2 RT67.2 RT68.2 RT69.2 RT70.2 U1.1 U1.3 U1.4 U1.5 U1.6 U1.7 U1.9 U1.10 U1.11 U1.12 U1.15 U1.16